# Altium PCB AD9361_EXT.PcbDoc (part 1 of 9)
Units mil, origin at the board's own origin, x right, y up, seen from the top; angles counter-clockwise.
Board outline 3145.03 x 1955.03 mil, 2 copper layers (Top Layer, Bottom Layer); 53 components, 59 nets, 286 pads, 253 vias.
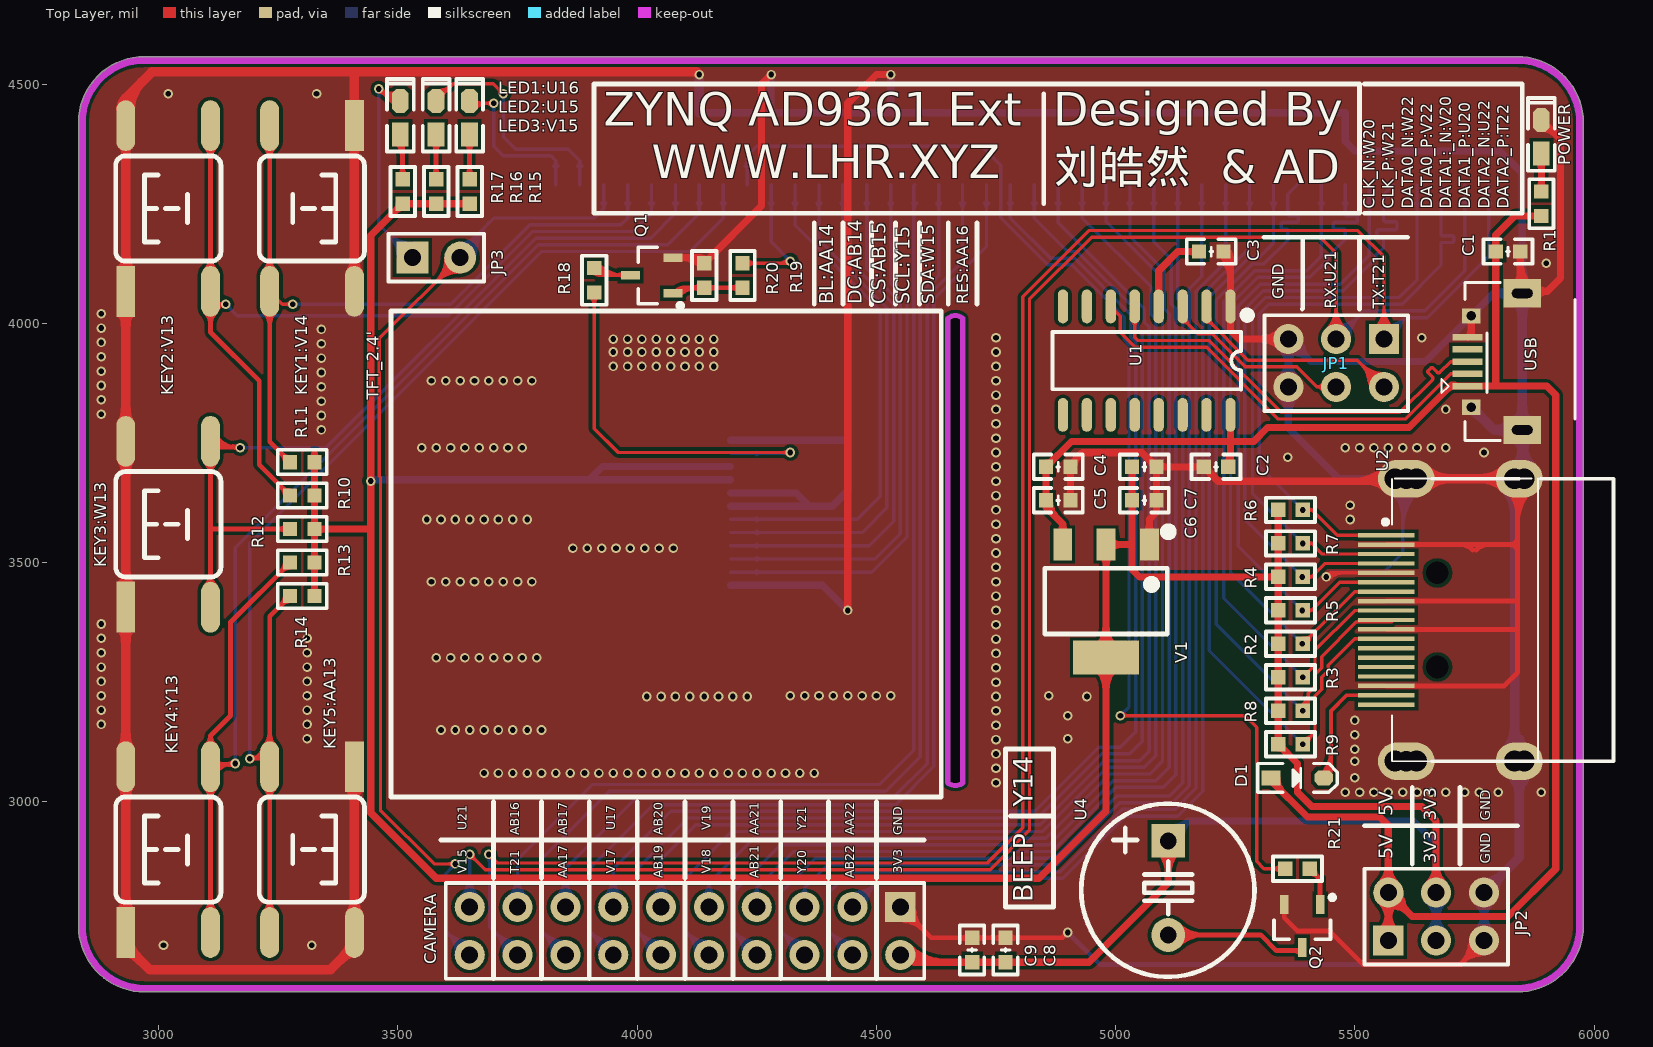
[diagram p0: Top Layer view]
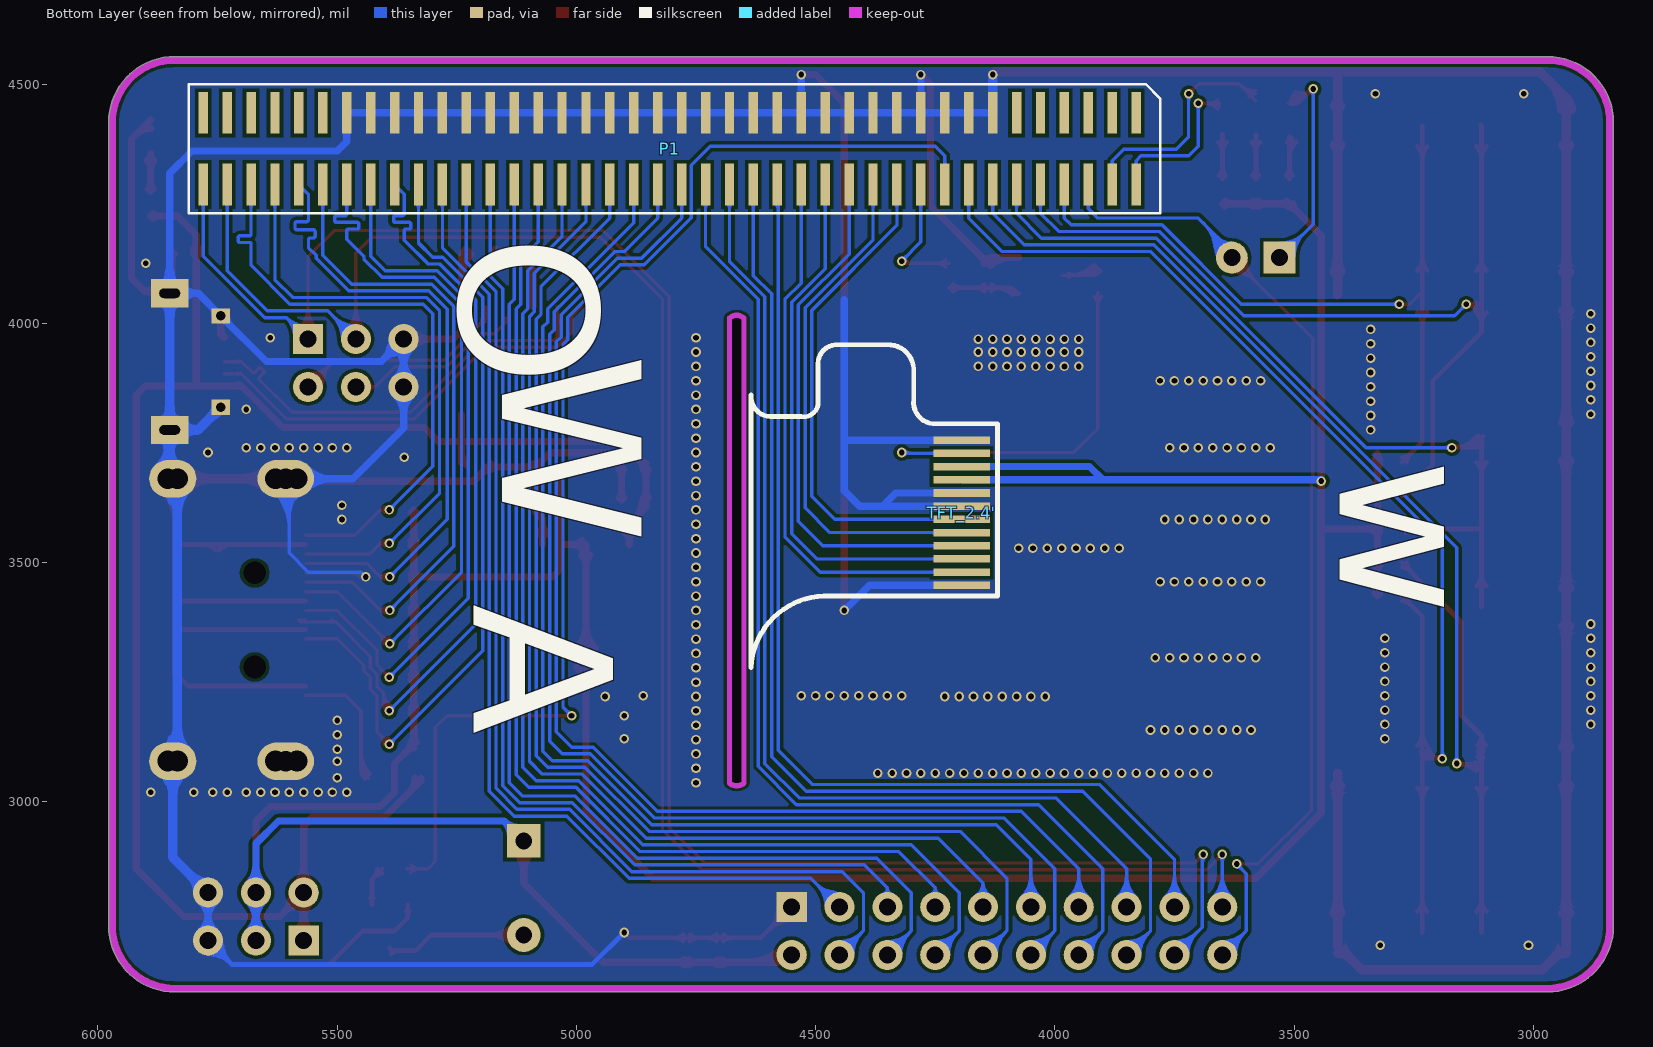
[diagram p1: Bottom Layer view, seen from below]

## Layer stack, top to bottom
Top Layer: signal copper 1.4
Dielectric: dielectric 12.6, FR-4, Dk 4.8
Bottom Layer: signal copper 1.4

## Board outline
2832.49,2740 2832.49,4430 cw(c2840,4430) 2833.1,4432.97 cw(c2970,4420) 2970,4557.52 5840,4557.52 cw(c5840,4420) 5977.52,4420 5977.52,2740 cw(c5840,2740) 5840,2602.49 2970,2602.49 cw(c2970,2740)
cut-out: 4646.45,3036.45 cw(c4650,3040) 4644.98,3040 4644.98,4010 cw(c4650,4010) 4646.45,4013.55 cw(c4665,3995) 4683.55,4013.55 cw(c4680,4010) 4685.02,4010 4685.02,3040 cw(c4680,3040) 4683.55,3036.45 cw(c4665,3055)

## Design rules (kind name [scope] priority, off if disabled: settings)
Clearance [All] p1: gap=7
DiffPairsRouting DiffPair_90OMDiffPairsRouting [InDifferentialPairClass('90OM')] p1: maxlimit=7 minlimit=7 mostfreqgap=7 maxuncoupledlength=500
DiffPairsRouting DiffPair_100OMDiffPairsRouting [InDifferentialPairClass('90OM')] p2: maxlimit=7 minlimit=7 mostfreqgap=7 maxuncoupledlength=500
DiffPairsRouting [All] p3: maxlimit=7 minlimit=7 mostfreqgap=7 maxuncoupledlength=500
MatchedLengths DiffPair_90OMMatchedLengths [InDifferentialPairClass('90OM')] p1: tolerance=1000 checknetsindiffpair=FALSE checkdiffpairvsdiffpair=TRUE checkothers=TRUE
MatchedLengths DiffPair_100OMMatchedLengths [InDifferentialPairClass('90OM')] p2: tolerance=1000 checknetsindiffpair=FALSE checkdiffpairvsdiffpair=TRUE checkothers=TRUE
PlaneConnect [All] p1: planeconnectstyle=Direct reliefexpansion=20 reliefentries=4 reliefconductorwidth=10 reliefairgap=10
PolygonConnect [All] p1: connectstyle=Direct reliefconductorwidth=10 reliefentries=4 polygonreliefangle="90 Angle" airgapwidth=10
RoutingPriority [All] p1: routingpriority=2
RoutingVias [All] p1: holewidth=12 width=20 viastyle="Through Hole" minholewidth=12 minwidth=20 maxholewidth=12 maxwidth=20
SilkscreenOverComponentPads SilkToSolderMaskClearance [IsPad] p1: minsilkscreentomaskgap=10
SolderMaskExpansion [All] p1: expansion=4
Width POWER [InNetClass('POWER')] p1: maxlimit=15 minlimit=15 preferedwidth=15 minimp=50.000000 maximp=50.000000 favimp=50.000000
Width DiffPair_90OMWidth [InDifferentialPairClass('90OM')] p2: maxlimit=7 minlimit=7 preferedwidth=7 minimp=50.000000 maximp=50.000000 favimp=50.000000
Width DiffPair_100OMWidth [InDifferentialPairClass('90OM')] p3: maxlimit=7 minlimit=7 preferedwidth=7 minimp=50.000000 maximp=50.000000 favimp=50.000000
Width [All] p4: maxlimit=100 minlimit=7 preferedwidth=10 minimp=50.000000 maximp=50.000000 favimp=50.000000
24 further rules are at their usual default settings.

## Classes and differential pairs
net class POWER: 3V3 5V
differential pair class 90OM: USB_D
differential pair class 100OM: HDMI_CLK HDMI_DATA0 HDMI_DATA1 HDMI_DATA2
component class AD9361_EXT: C1 C2 C3 C9 CAMERA D1 JP1 JP3 KEY1:V14 KEY2:V13 KEY3:W13 KEY4:Y13 KEY5:AA13 LED1:U16 LED2:U15 LED3:V15 Q1 Q2 R1 R2 R3 R4 R5 R6 R7 R8 R9 R10 R11 R12 R13 R14 R15 R16 R17 R18 R19 R20 R21 TFT_2.4' U1 U2 U4 V1 ""
differential pair HDMI_CLK: +HDMI_CLK_P -HDMI_CLK_N
differential pair HDMI_DATA0: +HDMI_DATA0_P -HDMI_DATA0_N
differential pair HDMI_DATA1: +HDMI_DATA1_P -HDMI_DATA1_N
differential pair HDMI_DATA2: +HDMI_DATA2_P -HDMI_DATA2_N
differential pair USB_D: +USB_D_P -USB_D_N

## Components (designator, comment, footprint, x,y, rotation, side; value= is the part's Value field where it differs from the comment)
C1 "22uf" "C 0603_L" 5820,4150 r0 top
C2 "0.1uf" "C 0603_L" 5210,3700 r180 top
C3 "0.1uf" "C 0603_L" 5200,4150 r0 top
C4 "10uf" "C 0603_L" 4880,3700 r0 top
C5 "0.1uf" "C 0603_L" 4880,3630 r0 top
C6 "0.1uf" "C 0603_L" 5060,3630 r0 top
C7 "10uf" "C 0603_L" 5060,3700 r0 top
C8 "10uf" "C 0603_L" 4770,2690 r90 top
C9 "0.1uf" "C 0603_L" 4700,2690 r90 top
CAMERA "Header 2X10" HDR2.54-LI-2x10P 4100,2730 r180 top (schematic designator JP4)
D1 "MBR0520" SOD-323 5380,3050 r0 top
JP1 "Header3X2" HDR2.54-LI-2x3P 5461,3917 r180 top
JP2 "Header3X2" HDR2.54-LI-2x3P 5670,2760 r0 top
JP3 "HDR-1X2" HDR2.54-LI-2P 3580,4137.4 r0 top
KEY1:V14 "KEY" "TSW SMD-6*6*6" 3320,4240 r270 top (schematic designator KEY2)
KEY2:V13 "KEY" "TSW SMD-6*6*6" 3020,4240 r90 top (schematic designator KEY1)
KEY3:W13 "KEY" "TSW SMD-6*6*6" 3020,3580 r90 top (schematic designator KEY3)
KEY4:Y13 "KEY" "TSW SMD-6*6*6" 3020,2900 r90 top (schematic designator KEY4)
KEY5:AA13 "KEY" "TSW SMD-6*6*6" 3320,2900 r270 top (schematic designator KEY5)
LED1:U16 "BLUE" "LED 0603B" 3650,4430 r90 top (schematic designator LED2)
LED2:U15 "BLUE" "LED 0603B" 3580,4430 r90 top (schematic designator LED3)
LED3:V15 "BLUE" "LED 0603B" 3505.26,4430 r90 top (schematic designator LED4)
P1 "BTB_80PIN_0.8MM_FEMALE" BTB_BOTTOM_80PIN_1.27MM 3830,4440 r270 top
POWER "BLUE" "LED 0603B" 5890,4390 r90 top (schematic designator LED2)
Q1 "SS8050" SOT23-3L 4030,4100 r90 top
Q2 "SS8050" SOT23-3L 5390,2740 r180 top
R1 "1k" "R 0603_L" 5890,4250 r90 top
R2 "49.9R" "R 0603_L" 5365.59,3330 r180 top
R3 "49.9R" "R 0603_L" 5365.59,3260 r180 top
R4 "49.9R" "R 0603_L" 5365.59,3470 r180 top
R5 "49.9R" "R 0603_L" 5365.59,3400 r180 top
R6 "49.9R" "R 0603_L" 5365.59,3610 r180 top
R7 "49.9R" "R 0603_L" 5365.59,3540 r180 top
R8 "49.9R" "R 0603_L" 5365.59,3190 r180 top
R9 "49.9R" "R 0603_L" 5365.59,3120 r180 top
R10 "10k" "R 0603_L" 3300,3640 r0 top
R11 "10k" "R 0603_L" 3300,3710 r0 top
R12 "10k" "R 0603_L" 3300,3570 r0 top
R13 "10k" "R 0603_L" 3300,3500 r0 top
R14 "10k" "R 0603_L" 3300,3430 r0 top
R15 "1k" "R 0603_L" 3649.74,4275.59 r90 top
R16 "1k" "R 0603_L" 3579.74,4275.59 r90 top
R17 "1k" "R 0603_L" 3509.74,4275.59 r90 top
R18 "10R" "R 0603_L" 3910,4090 r90 top
R19 "1k" "R 0603_L" 4220,4100 r90 top
R20 "10k" "R 0603_L" 4140,4100 r270 top
R21 "1K" "R 0603_L" 5380,2860 r0 top
TFT_2.4' "LCD_1.3'_240*240_SPI" TFT_1.3'_SPI_RGB_240*240 4635,3010 r90 top (schematic designator U3)
U1 "CH340C" SOP16_N 5065,3922 r270 top
U2 "HDMI_A" HDMI 5710,3380 r0 top
U4 "BEEP" "BEEP 5x9x5.5" 5110,2820 r180 top
USB_OTG1 "USB-5P" USB-MICRO_A 5850,3920 r90 top
V1 "AMS1117-3V3" SOT223_L 4980,3419.37 r180 top

## Footprints (in the part's own frame and the unit in brackets; to place one, negate y for a bottom-side part, rotate by r counter-clockwise, add the part's x,y. Pads: shape width x height; smd on the part's side, far side on the other; paste and mask are expansions set on the pad)
"BEEP 5x9x5.5" [mm] "5*9"
  rect 1.8x1.8 hole 0.9: 1(0,-2.5)
  round 1.8 hole 0.9: 2(0,2.5)
  silkscreen extent -4.58,-4.47 4.62,4.72, body extent -4.5,-4.5 4.5,4.5, height 5.45
BTB_BOTTOM_80PIN_1.27MM [mm] "BTB_BOTTOM"
  rect 2.22x0.5 smd far side: 1(0,0) 2(3.81,0) 3(0,1.27) 4(3.81,1.27) 5(0,2.54) 6(3.81,2.54) 7(0,3.81) 8(3.81,3.81) 9(0,5.08) 10(3.81,5.08) 11(0,6.35) 12(3.81,6.35) 13(0,7.62) 14(3.81,7.62) 15(0,8.89) 16(3.81,8.89) 17(0,10.16) 18(3.81,10.16) 19(0,11.43) 20(3.81,11.43) 21(0,12.7) 22(3.81,12.7) 23(0,13.97) 24(3.81,13.97) 25(0,15.24) 26(3.81,15.24) 27(0,16.51) 28(3.81,16.51) 29(0,17.78) 30(3.81,17.78) 31(0,19.05) 32(3.81,19.05) 33(0,20.32) 34(3.81,20.32) 35(0,21.59) 36(3.81,21.59) 37(0,22.86) 38(3.81,22.86) 39(0,24.13) 40(3.81,24.13) 41(0,25.4) 42(3.81,25.4) 43(0,26.67) 44(3.81,26.67) 45(0,27.94) 46(3.81,27.94) 47(0,29.21) 48(3.81,29.21) 49(0,30.48) 50(3.81,30.48) 51(0,31.75) 52(3.81,31.75) 53(0,33.02) 54(3.81,33.02) 55(0,34.29) 56(3.81,34.29) 57(0,35.56) 58(3.81,35.56) 59(0,36.83) 60(3.81,36.83) 61(0,38.1) 62(3.81,38.1) 63(0,39.37) 64(3.81,39.37) 65(0,40.64) 66(3.81,40.64) 67(0,41.91) 68(3.81,41.91) 69(0,43.18) 70(3.81,43.18) 71(0,44.45) 72(3.81,44.45) 73(0,45.72) 74(3.81,45.72) 75(0,46.99) 76(3.81,46.99) 77(0,48.26) 78(3.81,48.26) 79(0,49.53) 80(3.81,49.53)
"C 0603_L" [mil]
  rect 30x30 smd: 1(-25.59,0) 2(25.59,0)
  silkscreen extent -51,-26 51,26, body extent -31,-16 31,16, height 32
HDMI [mm]
  rect 3x0.23 smd: 1(-3.656,4.5) 2(-3.656,4) 3(-3.656,3.5) 4(-3.656,3) 5(-3.656,2.5) 6(-3.656,2) 7(-3.656,1.5) 8(-3.656,1) 9(-3.656,0.5) 10(-3.656,0) 11(-3.656,-0.5) 12(-3.656,-1) 13(-3.656,-1.5) 14(-3.656,-2) 15(-3.656,-2.5) 16(-3.656,-3) 17(-3.656,-3.5) 18(-3.656,-4) 19(-3.656,-4.5)
  round 1.1 hole 1.1: MH1(-3.202,-7.493) MH1(-2.059,-7.493) MH2(3.148,-7.493) MH2(3.656,-7.493) MH3(3.148,7.493) MH3(3.656,7.493) MH4(-3.202,7.493) MH4(-2.059,7.493)
  oval 3x2 hole 1.1: MH1(-2.606,-7.5) MH4(-2.606,7.5)
  oval 2.5x2 hole 1: MH2(3.394,-7.5) MH3(3.394,7.5)
  round 1.1 hole 1.2: MH5(-0.956,2.5) MH6(-0.956,-2.5)
  silkscreen extent -3.83,-7.5 8.39,7.5, body extent -3.51,-8.35 6.39,7.85, height 5.98
HDR2.54-LI-2P [mm]
  rect 1.7x1.7 hole 0.9: 1(-1.27,0)
  round 1.7 hole 0.9: 2(1.27,0)
  silkscreen extent -2.54,-1.27 2.54,1.27, body extent -2.54,-1.27 2.54,1.27, height 8.5
HDR2.54-LI-2x3P [mm]
  rect 1.6x1.6 hole 0.9: 1(-2.54,-1.27)
  round 1.6 hole 0.9: 2(-2.54,1.27) 3(0,-1.27) 4(0,1.27) 5(2.54,-1.27) 6(2.54,1.27)
  silkscreen extent -3.81,-2.54 3.81,2.54, body extent -3.81,-2.54 3.81,2.54, height 8.5
HDR2.54-LI-2x10P [mm] "双排排针，10x2"
  rect 1.6x1.6 hole 0.9: 1(-11.43,-1.27)
  round 1.6 hole 0.9: 2(-11.43,1.27) 3(-8.89,-1.27) 4(-8.89,1.27) 5(-6.35,-1.27) 6(-6.35,1.27) 7(-3.81,-1.27) 8(-3.81,1.27) 9(-1.27,-1.27) 10(-1.27,1.27) 11(1.27,-1.27) 12(1.27,1.27) 13(3.81,-1.27) 14(3.81,1.27) 15(6.35,-1.27) 16(6.35,1.27) 17(8.89,-1.27) 18(8.89,1.27) 19(11.43,-1.27) 20(11.43,1.27)
  silkscreen extent -12.7,-2.54 12.7,2.54, body extent -12.7,-2.54 12.7,2.54, height 8.5
"LED 0603B" [mil]
  rect 50x35 smd: 1(-35,0.26)
  oct 50x35 smd: 2(35,0.26)
  silkscreen extent -71,-28 81,28, body extent -31,-16 32,16, height 24
"R 0603_L" [mil]
  rect 30x30 smd: 1(-25.59,0) 2(25.59,0)
  silkscreen extent -51,-26 51,26, body extent -31,-16 32,16, height 16
SOD-323 [mm]
  rect 1x0.8 smd: 1(-1.4,0)
  oct 1x0.8 smd: 2(1.4,0)
  silkscreen extent -2.11,-0.76 2.11,0.76, body extent -1.34,-0.63 1.31,0.67, height 1
SOP16_N [mm] "10.3*6.2"
  oval 1.8x0.55 smd: 1(-2.877,4.445) 2(-2.877,3.175) 3(-2.877,1.905) 4(-2.877,0.635) 5(-2.877,-0.635) 6(-2.877,-1.905) 7(-2.877,-3.175) 8(-2.877,-4.445) 9(2.877,-4.445) 10(2.877,-3.175) 11(2.877,-1.905) 12(2.877,-0.635) 13(2.877,0.635) 14(2.877,1.905) 15(2.877,3.175) 16(2.877,4.445)
  silkscreen extent -2.57,-5 1.52,5.49, body extent -3,-5 3,5, height 1.9
SOT23-3L [mm]
  rect 0.45x1 smd: 1(-0.95,-1.143) 2(0.95,-1.143) 3(0,1.125)
  silkscreen extent -1.72,-1.65 1.5,0.7, body extent -1.5,-1.2 1.5,1.2, height 1.05
SOT223_L [mm]
  rect 1x1.7 smd: 1(-2.3,-3) 2(0,-3) 3(2.3,-3)
  rect 3.5x1.8 smd: 2(0,3)
  silkscreen extent -3.5,-3.88 3.25,1.75, body extent -3.25,-3.51 3.25,3.51, height 1.65
TFT_1.3'_SPI_RGB_240*240 [mm]
  rect 0.4x3 smd far side: 1(18.938,11.176) 2(18.238,11.176) 3(17.538,11.176) 4(16.838,11.176) 5(16.138,11.176) 6(15.438,11.176) 7(14.738,11.176) 8(14.038,11.176) 9(13.338,11.176) 10(12.638,11.176) 11(11.938,11.176) 12(11.238,11.176)
  silkscreen extent -0.01,-0.02 25.79,29.2
"TSW SMD-6*6*6" [mm]
  rect 2.7x1 smd: 1(-4.4,2.261)
  oval 2.7x1 smd: 1(4.4,2.261) 2(-4.4,-2.239) 2(4.4,-2.239)
  silkscreen extent -2.79,-2.79 2.79,2.79, body extent -4.5,-3 4.5,3, height 5.95
USB-MICRO_A [mm]
  rect 0.35x1.6 smd: 1(-1.3,2.9) 2(-0.65,2.9) 3(0,2.9) 4(0.65,2.9) 5(1.3,2.9)
  rect 1.5x2 hole 0.5 slot 1.1 at 90 deg: 5(-3.625,0) 5(3.625,0)
  rect 0.8x1 hole 0.5: 5(-2.425,2.71) 5(2.425,2.71)
  silkscreen extent -4.19,-2.79 4.19,4.3, body extent -4,-2.71 4,2.89, height 2.8

## Part data
C1 C2 C3 C4 C5 C6 C7 C8 C9: library part CAP_0603, "0603无极"
CAMERA: library part "Header 10X2", "10*2P接插件"
D1: library part SS14, "肖特基二极管"
JP1 JP2: library part "Header 3X2", "3*2P"
JP3: library part "Header 2", "2P"
LED1:U16 LED2:U15 LED3:V15 POWER: library part LED-SMD, "贴片LED"
P1: "BTB接口0.8MM间距母头"
Q1 Q2: library part 8050-SMD, "高频"
R1 R2 R3 R4 R5 R6 R7 R8 R9 R10 R11 R12 R13 R14 R15 R16 R17 R18 R19 R20 R21: library part RES_0603, "060"
TFT_2.4': "1.3‘_SPI_中景圆屏幕"
U1: "USB2UART"
U2: "H"
U4: "蜂鸣器"
USB_OTG1: library part Micro_USB
V1: library part AMS1117

## Via types
v1: diameter 20, hole 12, Top Layer to Bottom Layer, tented both sides, 253 vias
